# KiCad board PCB_PANELIZED.kicad_pcb
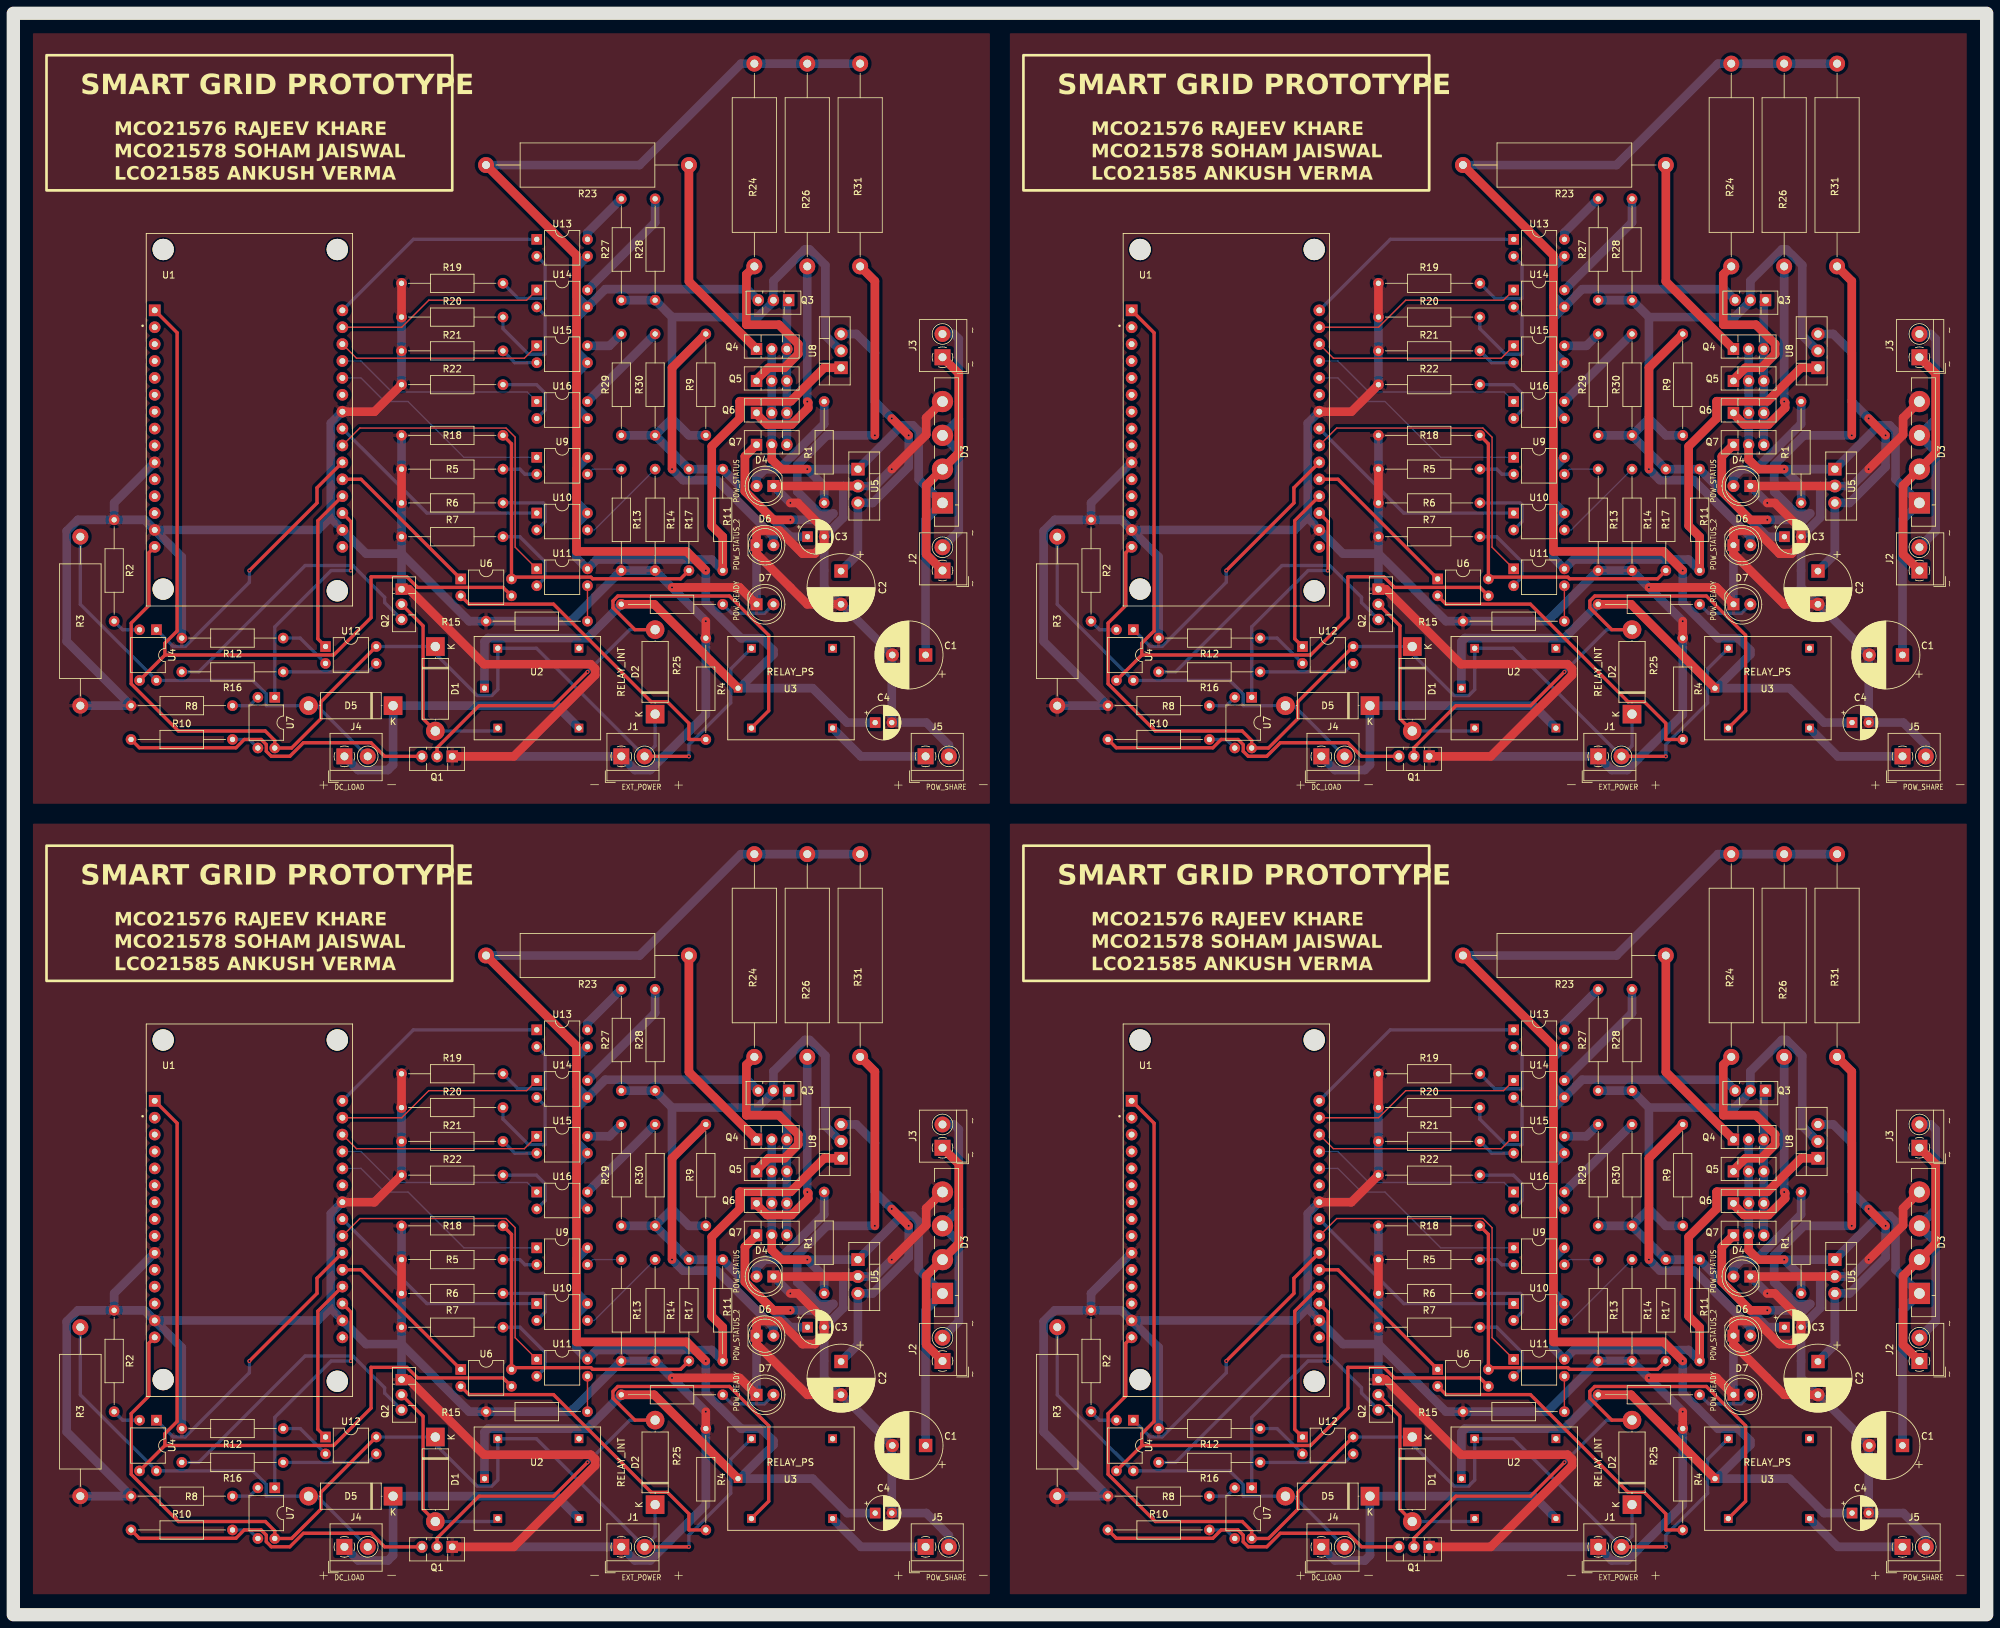
[diagram p0: board, top side]
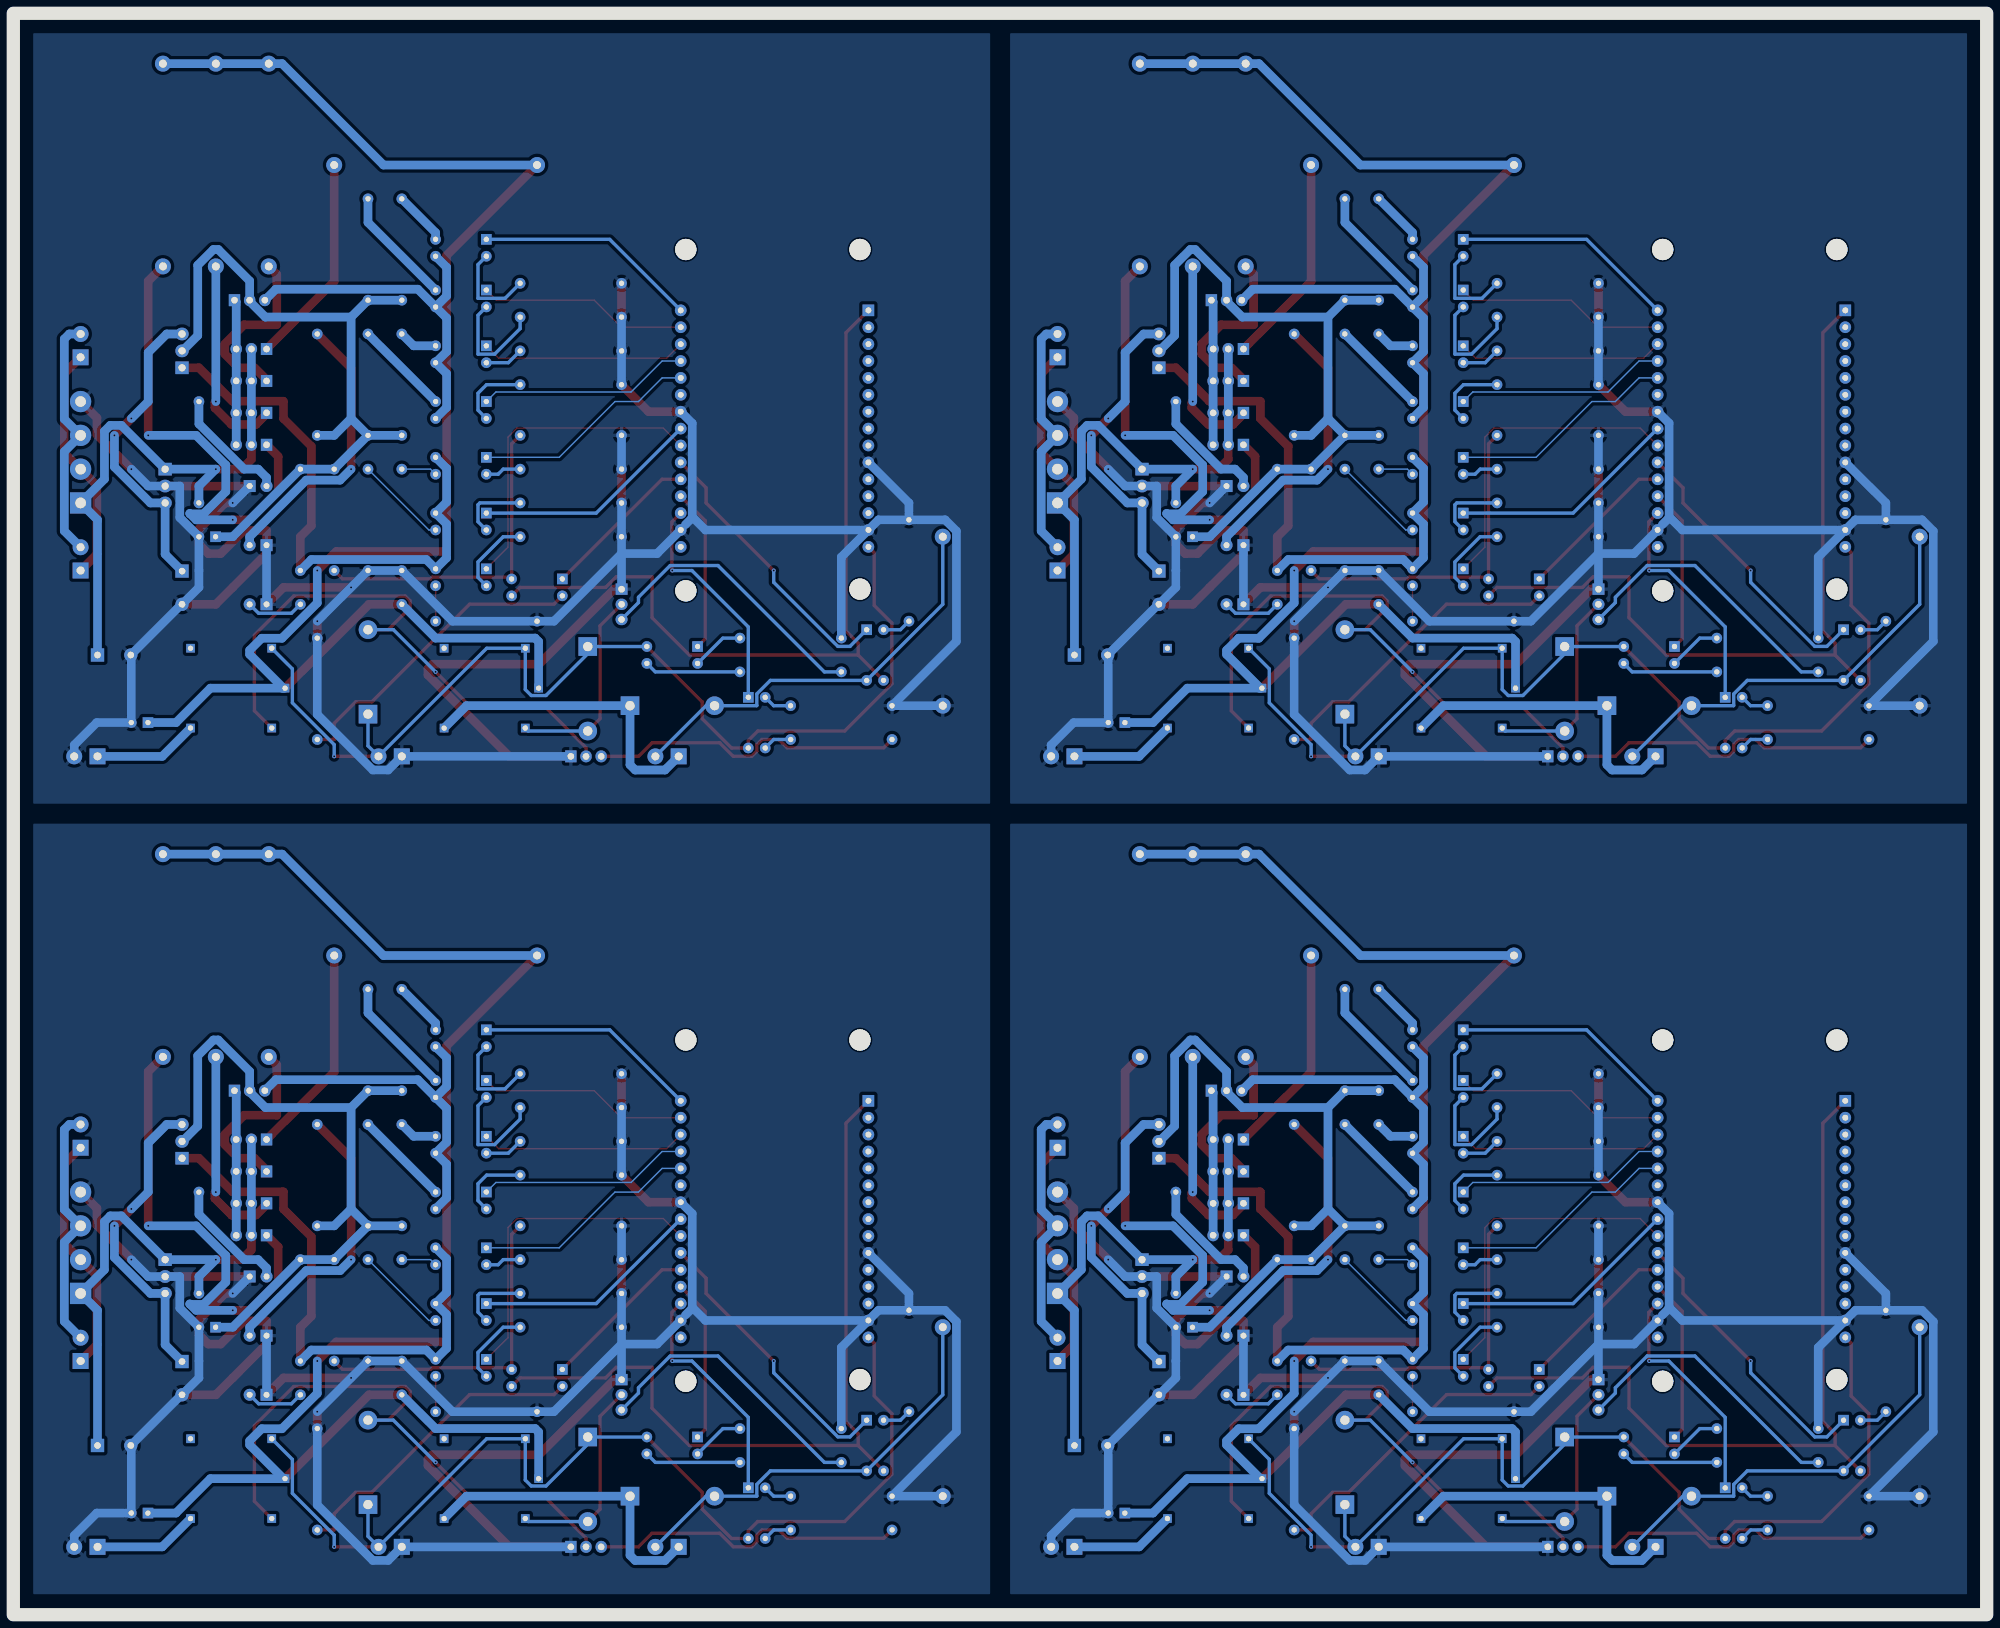
[diagram p1: board, bottom side, seen from below]

Outline 296.5 x 240.75 mm; copper layers: Top, Bottom. Coordinates in mm from the lower left corner of the outline.
Outline path: rectangle 0,240.75 296.5,0
Stack: Top 0.035mm / dielectric 1.51mm FR4 er 4.5 / Bottom 0.035mm

## Placement (name value [footprint] x y rotation side)
C1  1000uf/25V  [CP_Radial_D10.0mm_P5.00mm]  137.07 25.44 180 top
C1#2  1000uf/25V  [CP_Radial_D10.0mm_P5.00mm]  283.85 25.44 180 top
C1#3  1000uf/25V  [CP_Radial_D10.0mm_P5.00mm]  283.85 144.28 180 top
C1#4  1000uf/25V  [CP_Radial_D10.0mm_P5.00mm]  137.07 144.28 180 top
C2  100uf/25V  [CP_Radial_D10.0mm_P5.00mm]  124.37 38.06 270 top
C2#2  100uf/25V  [CP_Radial_D10.0mm_P5.00mm]  271.15 156.9 270 top
C2#3  100uf/25V  [CP_Radial_D10.0mm_P5.00mm]  124.37 156.9 270 top
C2#4  100uf/25V  [CP_Radial_D10.0mm_P5.00mm]  271.15 38.06 270 top
C3  10uF/63V  [CP_Radial_D5.0mm_P2.50mm]  119.33 43.22 0 top
C3#2  10uF/63V  [CP_Radial_D5.0mm_P2.50mm]  266.11 43.22 0 top
C3#3  10uF/63V  [CP_Radial_D5.0mm_P2.50mm]  266.11 162.06 0 top
C3#4  10uF/63V  [CP_Radial_D5.0mm_P2.50mm]  119.33 162.06 0 top
C4  10uF/63V  [CP_Radial_D5.0mm_P2.50mm]  276.27 15.28 0 top
C4#2  10uF/63V  [CP_Radial_D5.0mm_P2.50mm]  129.49 15.28 0 top
C4#3  10uF/63V  [CP_Radial_D5.0mm_P2.50mm]  129.49 134.12 0 top
C4#4  10uF/63V  [CP_Radial_D5.0mm_P2.50mm]  276.27 134.12 0 top
D1  1N5408/DIODE  [D_5W_P12.70mm_Horizontal]  210.19 26.71 270 top
D1#2  1N5408/DIODE  [D_5W_P12.70mm_Horizontal]  63.41 145.55 270 top
D1#3  1N5408/DIODE  [D_5W_P12.70mm_Horizontal]  63.41 26.71 270 top
D1#4  1N5408/DIODE  [D_5W_P12.70mm_Horizontal]  210.19 145.55 270 top
D2  1N5408/DIODE  [D_5W_P12.70mm_Horizontal]  96.43 135.39 90 top
D2#2  1N5408/DIODE  [D_5W_P12.70mm_Horizontal]  243.21 16.55 90 top
D2#3  1N5408/DIODE  [D_5W_P12.70mm_Horizontal]  243.21 135.39 90 top
D2#4  1N5408/DIODE  [D_5W_P12.70mm_Horizontal]  96.43 16.55 90 top
D3  GBU4A/BRIDGE_RECT  [Diode_Bridge_Vishay_GBU]  139.61 48.3 90 top
D3#2  GBU4A/BRIDGE_RECT  [Diode_Bridge_Vishay_GBU]  286.39 48.3 90 top
D3#3  GBU4A/BRIDGE_RECT  [Diode_Bridge_Vishay_GBU]  139.61 167.14 90 top
D3#4  GBU4A/BRIDGE_RECT  [Diode_Bridge_Vishay_GBU]  286.39 167.14 90 top
D4  LED_POW  [LED_D5.0mm]  260.99 50.84 180 top
D4#2  LED_POW  [LED_D5.0mm]  114.21 169.68 180 top
D4#3  LED_POW  [LED_D5.0mm]  114.21 50.84 180 top
D4#4  LED_POW  [LED_D5.0mm]  260.99 169.68 180 top
D5  1N5408/FWD  [D_5W_P12.70mm_Horizontal]  203.84 136.66 180 top
D5#2  1N5408/FWD  [D_5W_P12.70mm_Horizontal]  57.06 17.82 180 top
D5#3  1N5408/FWD  [D_5W_P12.70mm_Horizontal]  203.84 17.82 180 top
D5#4  1N5408/FWD  [D_5W_P12.70mm_Horizontal]  57.06 136.66 180 top
D6  LED  [LED_D5.0mm]  111.67 41.95 0 top
D6#2  LED  [LED_D5.0mm]  258.45 160.79 0 top
D6#3  LED  [LED_D5.0mm]  111.67 160.79 0 top
D6#4  LED  [LED_D5.0mm]  258.45 41.95 0 top
D7  LOAD_STATUS  [LED_D5.0mm]  111.67 33.06 0 top
D7#2  LOAD_STATUS  [LED_D5.0mm]  111.67 151.9 0 top
D7#3  LOAD_STATUS  [LED_D5.0mm]  258.45 33.06 0 top
D7#4  LOAD_STATUS  [LED_D5.0mm]  258.45 151.9 0 top
J1  EXT_POW  [TerminalBlock_4Ucon_1x02_P3.50mm_Horizontal]  238.13 10.2 0 top
J1#2  EXT_POW  [TerminalBlock_4Ucon_1x02_P3.50mm_Horizontal]  238.13 129.04 0 top
J1#3  EXT_POW  [TerminalBlock_4Ucon_1x02_P3.50mm_Horizontal]  91.35 10.2 0 top
J1#4  EXT_POW  [TerminalBlock_4Ucon_1x02_P3.50mm_Horizontal]  91.35 129.04 0 top
J2  24VAC _LOAD  [TerminalBlock_4Ucon_1x02_P3.50mm_Horizontal]  139.61 38.14 90 top
J2#2  24VAC _LOAD  [TerminalBlock_4Ucon_1x02_P3.50mm_Horizontal]  286.39 156.98 90 top
J2#3  24VAC _LOAD  [TerminalBlock_4Ucon_1x02_P3.50mm_Horizontal]  286.39 38.14 90 top
J2#4  24VAC _LOAD  [TerminalBlock_4Ucon_1x02_P3.50mm_Horizontal]  139.61 156.98 90 top
J3  AC_INPUT  [TerminalBlock_4Ucon_1x02_P3.50mm_Horizontal]  139.61 70.2 90 top
J3#2  AC_INPUT  [TerminalBlock_4Ucon_1x02_P3.50mm_Horizontal]  139.61 189.04 90 top
J3#3  AC_INPUT  [TerminalBlock_4Ucon_1x02_P3.50mm_Horizontal]  286.39 189.04 90 top
J3#4  AC_INPUT  [TerminalBlock_4Ucon_1x02_P3.50mm_Horizontal]  286.39 70.2 90 top
J4  DC_LOAD  [TerminalBlock_4Ucon_1x02_P3.50mm_Horizontal]  196.53 10.2 0 top
J4#2  DC_LOAD  [TerminalBlock_4Ucon_1x02_P3.50mm_Horizontal]  49.75 129.04 0 top
J4#3  DC_LOAD  [TerminalBlock_4Ucon_1x02_P3.50mm_Horizontal]  49.75 10.2 0 top
J4#4  DC_LOAD  [TerminalBlock_4Ucon_1x02_P3.50mm_Horizontal]  196.53 129.04 0 top
J5  POW_SHARE  [TerminalBlock_4Ucon_1x02_P3.50mm_Horizontal]  283.85 129.04 0 top
J5#2  POW_SHARE  [TerminalBlock_4Ucon_1x02_P3.50mm_Horizontal]  283.85 10.2 0 top
J5#3  POW_SHARE  [TerminalBlock_4Ucon_1x02_P3.50mm_Horizontal]  137.07 10.2 0 top
J5#4  POW_SHARE  [TerminalBlock_4Ucon_1x02_P3.50mm_Horizontal]  137.07 129.04 0 top
Q1  BD139  [TO-126-3_Vertical]  212.73 10.2 180 top
Q1#2  BD139  [TO-126-3_Vertical]  65.95 129.04 180 top
Q1#3  BD139  [TO-126-3_Vertical]  212.73 129.04 180 top
Q1#4  BD139  [TO-126-3_Vertical]  65.95 10.2 180 top
Q2  BD139  [TO-126-3_Vertical]  205.11 35.34 270 top
Q2#2  BD139  [TO-126-3_Vertical]  205.11 154.18 270 top
Q2#3  BD139  [TO-126-3_Vertical]  58.33 35.34 270 top
Q2#4  BD139  [TO-126-3_Vertical]  58.33 154.18 270 top
Q3  BD139  [TO-126-3_Vertical]  116.49 78.78 180 top
Q3#2  BD139  [TO-126-3_Vertical]  263.27 197.62 180 top
Q3#3  BD139  [TO-126-3_Vertical]  116.49 197.62 180 top
Q3#4  BD139  [TO-126-3_Vertical]  263.27 78.78 180 top
Q4  BD139  [TO-126-3_Vertical]  258.45 190.28 0 top
Q4#2  BD139  [TO-126-3_Vertical]  111.67 71.44 0 top
Q4#3  BD139  [TO-126-3_Vertical]  111.67 190.28 0 top
Q4#4  BD139  [TO-126-3_Vertical]  258.45 71.44 0 top
Q5  BD139  [TO-126-3_Vertical]  258.45 185.48 0 top
Q5#2  BD139  [TO-126-3_Vertical]  111.67 66.64 0 top
Q5#3  BD139  [TO-126-3_Vertical]  111.67 185.48 0 top
Q5#4  BD139  [TO-126-3_Vertical]  258.45 66.64 0 top
Q6  BD139  [TO-126-3_Vertical]  258.45 61.84 0 top
Q6#2  BD139  [TO-126-3_Vertical]  111.67 180.68 0 top
Q6#3  BD139  [TO-126-3_Vertical]  111.67 61.84 0 top
Q6#4  BD139  [TO-126-3_Vertical]  258.45 180.68 0 top
Q7  BD139  [TO-126-3_Vertical]  111.67 175.88 0 top
Q7#2  BD139  [TO-126-3_Vertical]  258.45 57.04 0 top
Q7#3  BD139  [TO-126-3_Vertical]  111.67 57.04 0 top
Q7#4  BD139  [TO-126-3_Vertical]  258.45 175.88 0 top
R1  220  [R_Axial_DIN0207_L6.3mm_D2.5mm_P15.24mm_Horizontal]  268.61 167.14 90 top
R1#2  220  [R_Axial_DIN0207_L6.3mm_D2.5mm_P15.24mm_Horizontal]  121.83 48.3 90 top
R1#3  220  [R_Axial_DIN0207_L6.3mm_D2.5mm_P15.24mm_Horizontal]  268.61 48.3 90 top
R1#4  220  [R_Axial_DIN0207_L6.3mm_D2.5mm_P15.24mm_Horizontal]  121.83 167.14 90 top
R2  220R  [R_Axial_DIN0207_L6.3mm_D2.5mm_P15.24mm_Horizontal]  161.93 45.76 270 top
R2#2  220R  [R_Axial_DIN0207_L6.3mm_D2.5mm_P15.24mm_Horizontal]  15.15 45.76 270 top
R2#3  220R  [R_Axial_DIN0207_L6.3mm_D2.5mm_P15.24mm_Horizontal]  15.15 164.6 270 top
R2#4  220R  [R_Axial_DIN0207_L6.3mm_D2.5mm_P15.24mm_Horizontal]  161.93 164.6 270 top
R3  1R  [R_Axial_DIN0617_L17.0mm_D6.0mm_P25.40mm_Horizontal]  156.85 162.06 270 top
R3#2  1R  [R_Axial_DIN0617_L17.0mm_D6.0mm_P25.40mm_Horizontal]  10.07 162.06 270 top
R3#3  1R  [R_Axial_DIN0617_L17.0mm_D6.0mm_P25.40mm_Horizontal]  10.07 43.22 270 top
R3#4  1R  [R_Axial_DIN0617_L17.0mm_D6.0mm_P25.40mm_Horizontal]  156.85 43.22 270 top
R4  220R  [R_Axial_DIN0207_L6.3mm_D2.5mm_P15.24mm_Horizontal]  104.05 146.82 270 top
R4#2  220R  [R_Axial_DIN0207_L6.3mm_D2.5mm_P15.24mm_Horizontal]  104.05 27.98 270 top
R4#3  220R  [R_Axial_DIN0207_L6.3mm_D2.5mm_P15.24mm_Horizontal]  250.83 146.82 270 top
R4#4  220R  [R_Axial_DIN0207_L6.3mm_D2.5mm_P15.24mm_Horizontal]  250.83 27.98 270 top
R5  220R  [R_Axial_DIN0207_L6.3mm_D2.5mm_P15.24mm_Horizontal]  58.33 172.22 0 top
R5#2  220R  [R_Axial_DIN0207_L6.3mm_D2.5mm_P15.24mm_Horizontal]  205.11 172.22 0 top
R5#3  220R  [R_Axial_DIN0207_L6.3mm_D2.5mm_P15.24mm_Horizontal]  58.33 53.38 0 top
R5#4  220R  [R_Axial_DIN0207_L6.3mm_D2.5mm_P15.24mm_Horizontal]  205.11 53.38 0 top
R6  220R  [R_Axial_DIN0207_L6.3mm_D2.5mm_P15.24mm_Horizontal]  205.11 167.14 0 top
R6#2  220R  [R_Axial_DIN0207_L6.3mm_D2.5mm_P15.24mm_Horizontal]  58.33 167.14 0 top
R6#3  220R  [R_Axial_DIN0207_L6.3mm_D2.5mm_P15.24mm_Horizontal]  58.33 48.3 0 top
R6#4  220R  [R_Axial_DIN0207_L6.3mm_D2.5mm_P15.24mm_Horizontal]  205.11 48.3 0 top
R7  220R  [R_Axial_DIN0207_L6.3mm_D2.5mm_P15.24mm_Horizontal]  58.33 162.06 0 top
R7#2  220R  [R_Axial_DIN0207_L6.3mm_D2.5mm_P15.24mm_Horizontal]  205.11 43.22 0 top
R7#3  220R  [R_Axial_DIN0207_L6.3mm_D2.5mm_P15.24mm_Horizontal]  58.33 43.22 0 top
R7#4  220R  [R_Axial_DIN0207_L6.3mm_D2.5mm_P15.24mm_Horizontal]  205.11 162.06 0 top
R8  220R  [R_Axial_DIN0207_L6.3mm_D2.5mm_P15.24mm_Horizontal]  179.71 17.82 180 top
R8#2  220R  [R_Axial_DIN0207_L6.3mm_D2.5mm_P15.24mm_Horizontal]  179.71 136.66 180 top
R8#3  220R  [R_Axial_DIN0207_L6.3mm_D2.5mm_P15.24mm_Horizontal]  32.93 136.66 180 top
R8#4  220R  [R_Axial_DIN0207_L6.3mm_D2.5mm_P15.24mm_Horizontal]  32.93 17.82 180 top
R9  220R  [R_Axial_DIN0207_L6.3mm_D2.5mm_P15.24mm_Horizontal]  250.83 177.3 90 top
R9#2  220R  [R_Axial_DIN0207_L6.3mm_D2.5mm_P15.24mm_Horizontal]  250.83 58.46 90 top
R9#3  220R  [R_Axial_DIN0207_L6.3mm_D2.5mm_P15.24mm_Horizontal]  104.05 177.3 90 top
R9#4  220R  [R_Axial_DIN0207_L6.3mm_D2.5mm_P15.24mm_Horizontal]  104.05 58.46 90 top
R10  120R  [R_Axial_DIN0207_L6.3mm_D2.5mm_P15.24mm_Horizontal]  17.69 12.74 0 top
R10#2  120R  [R_Axial_DIN0207_L6.3mm_D2.5mm_P15.24mm_Horizontal]  164.47 131.58 0 top
R10#3  120R  [R_Axial_DIN0207_L6.3mm_D2.5mm_P15.24mm_Horizontal]  164.47 12.74 0 top
R10#4  120R  [R_Axial_DIN0207_L6.3mm_D2.5mm_P15.24mm_Horizontal]  17.69 131.58 0 top
R11  220R  [R_Axial_DIN0207_L6.3mm_D2.5mm_P15.24mm_Horizontal]  253.37 156.98 90 top
R11#2  220R  [R_Axial_DIN0207_L6.3mm_D2.5mm_P15.24mm_Horizontal]  253.37 38.14 90 top
R11#3  220R  [R_Axial_DIN0207_L6.3mm_D2.5mm_P15.24mm_Horizontal]  106.59 156.98 90 top
R11#4  220R  [R_Axial_DIN0207_L6.3mm_D2.5mm_P15.24mm_Horizontal]  106.59 38.14 90 top
R12  220R  [R_Axial_DIN0207_L6.3mm_D2.5mm_P15.24mm_Horizontal]  40.55 146.82 180 top
R12#2  220R  [R_Axial_DIN0207_L6.3mm_D2.5mm_P15.24mm_Horizontal]  40.55 27.98 180 top
R12#3  220R  [R_Axial_DIN0207_L6.3mm_D2.5mm_P15.24mm_Horizontal]  187.33 146.82 180 top
R12#4  220R  [R_Axial_DIN0207_L6.3mm_D2.5mm_P15.24mm_Horizontal]  187.33 27.98 180 top
R13  500R  [R_Axial_DIN0207_L6.3mm_D2.5mm_P15.24mm_Horizontal]  238.13 53.38 270 top
R13#2  500R  [R_Axial_DIN0207_L6.3mm_D2.5mm_P15.24mm_Horizontal]  91.35 172.22 270 top
R13#3  500R  [R_Axial_DIN0207_L6.3mm_D2.5mm_P15.24mm_Horizontal]  238.13 172.22 270 top
R13#4  500R  [R_Axial_DIN0207_L6.3mm_D2.5mm_P15.24mm_Horizontal]  91.35 53.38 270 top
R14  1.5k  [R_Axial_DIN0207_L6.3mm_D2.5mm_P15.24mm_Horizontal]  96.43 53.38 270 top
R14#2  1.5k  [R_Axial_DIN0207_L6.3mm_D2.5mm_P15.24mm_Horizontal]  96.43 172.22 270 top
R14#3  1.5k  [R_Axial_DIN0207_L6.3mm_D2.5mm_P15.24mm_Horizontal]  243.21 172.22 270 top
R14#4  1.5k  [R_Axial_DIN0207_L6.3mm_D2.5mm_P15.24mm_Horizontal]  243.21 53.38 270 top
R15  2k  [R_Axial_DIN0207_L6.3mm_D2.5mm_P15.24mm_Horizontal]  233.05 149.36 180 top
R15#2  2k  [R_Axial_DIN0207_L6.3mm_D2.5mm_P15.24mm_Horizontal]  233.05 30.52 180 top
R15#3  2k  [R_Axial_DIN0207_L6.3mm_D2.5mm_P15.24mm_Horizontal]  86.27 30.52 180 top
R15#4  2k  [R_Axial_DIN0207_L6.3mm_D2.5mm_P15.24mm_Horizontal]  86.27 149.36 180 top
R16  120R  [R_Axial_DIN0207_L6.3mm_D2.5mm_P15.24mm_Horizontal]  40.55 22.9 180 top
R16#2  120R  [R_Axial_DIN0207_L6.3mm_D2.5mm_P15.24mm_Horizontal]  40.55 141.74 180 top
R16#3  120R  [R_Axial_DIN0207_L6.3mm_D2.5mm_P15.24mm_Horizontal]  187.33 22.9 180 top
R16#4  120R  [R_Axial_DIN0207_L6.3mm_D2.5mm_P15.24mm_Horizontal]  187.33 141.74 180 top
R17  20k  [R_Axial_DIN0207_L6.3mm_D2.5mm_P15.24mm_Horizontal]  248.29 53.38 270 top
R17#2  20k  [R_Axial_DIN0207_L6.3mm_D2.5mm_P15.24mm_Horizontal]  101.51 172.22 270 top
R17#3  20k  [R_Axial_DIN0207_L6.3mm_D2.5mm_P15.24mm_Horizontal]  101.51 53.38 270 top
R17#4  20k  [R_Axial_DIN0207_L6.3mm_D2.5mm_P15.24mm_Horizontal]  248.29 172.22 270 top
R18  8k  [R_Axial_DIN0207_L6.3mm_D2.5mm_P15.24mm_Horizontal]  73.57 177.3 180 top
R18#2  8k  [R_Axial_DIN0207_L6.3mm_D2.5mm_P15.24mm_Horizontal]  73.57 58.46 180 top
R18#3  8k  [R_Axial_DIN0207_L6.3mm_D2.5mm_P15.24mm_Horizontal]  220.35 177.3 180 top
R18#4  8k  [R_Axial_DIN0207_L6.3mm_D2.5mm_P15.24mm_Horizontal]  220.35 58.46 180 top
R19  220  [R_Axial_DIN0207_L6.3mm_D2.5mm_P15.24mm_Horizontal]  58.33 81.32 0 top
R19#2  220  [R_Axial_DIN0207_L6.3mm_D2.5mm_P15.24mm_Horizontal]  205.11 200.16 0 top
R19#3  220  [R_Axial_DIN0207_L6.3mm_D2.5mm_P15.24mm_Horizontal]  205.11 81.32 0 top
R19#4  220  [R_Axial_DIN0207_L6.3mm_D2.5mm_P15.24mm_Horizontal]  58.33 200.16 0 top
R20  220  [R_Axial_DIN0207_L6.3mm_D2.5mm_P15.24mm_Horizontal]  205.11 195.08 0 top
R20#2  220  [R_Axial_DIN0207_L6.3mm_D2.5mm_P15.24mm_Horizontal]  58.33 76.24 0 top
R20#3  220  [R_Axial_DIN0207_L6.3mm_D2.5mm_P15.24mm_Horizontal]  205.11 76.24 0 top
R20#4  220  [R_Axial_DIN0207_L6.3mm_D2.5mm_P15.24mm_Horizontal]  58.33 195.08 0 top
R21  220  [R_Axial_DIN0207_L6.3mm_D2.5mm_P15.24mm_Horizontal]  205.11 71.16 0 top
R21#2  220  [R_Axial_DIN0207_L6.3mm_D2.5mm_P15.24mm_Horizontal]  205.11 190 0 top
R21#3  220  [R_Axial_DIN0207_L6.3mm_D2.5mm_P15.24mm_Horizontal]  58.33 190 0 top
R21#4  220  [R_Axial_DIN0207_L6.3mm_D2.5mm_P15.24mm_Horizontal]  58.33 71.16 0 top
R22  220  [R_Axial_DIN0207_L6.3mm_D2.5mm_P15.24mm_Horizontal]  205.11 66.08 0 top
R22#2  220  [R_Axial_DIN0207_L6.3mm_D2.5mm_P15.24mm_Horizontal]  205.11 184.92 0 top
R22#3  220  [R_Axial_DIN0207_L6.3mm_D2.5mm_P15.24mm_Horizontal]  58.33 66.08 0 top
R22#4  220  [R_Axial_DIN0207_L6.3mm_D2.5mm_P15.24mm_Horizontal]  58.33 184.92 0 top
R23  1R  [R_Axial_Power_L20.0mm_W6.4mm_P30.48mm]  101.51 217.94 180 top
R23#2  1R  [R_Axial_Power_L20.0mm_W6.4mm_P30.48mm]  248.29 217.94 180 top
R23#3  1R  [R_Axial_Power_L20.0mm_W6.4mm_P30.48mm]  248.29 99.1 180 top
R23#4  1R  [R_Axial_Power_L20.0mm_W6.4mm_P30.48mm]  101.51 99.1 180 top
R24  1R  [R_Axial_Power_L20.0mm_W6.4mm_P30.48mm]  111.34 202.7 90 top
R24#2  1R  [R_Axial_Power_L20.0mm_W6.4mm_P30.48mm]  111.34 83.86 90 top
R24#3  1R  [R_Axial_Power_L20.0mm_W6.4mm_P30.48mm]  258.12 83.86 90 top
R24#4  1R  [R_Axial_Power_L20.0mm_W6.4mm_P30.48mm]  258.12 202.7 90 top
R25  220  [R_Axial_DIN0207_L6.3mm_D2.5mm_P15.24mm_Horizontal]  91.35 151.9 0 top
R25#2  220  [R_Axial_DIN0207_L6.3mm_D2.5mm_P15.24mm_Horizontal]  238.13 33.06 0 top
R25#3  220  [R_Axial_DIN0207_L6.3mm_D2.5mm_P15.24mm_Horizontal]  238.13 151.9 0 top
R25#4  220  [R_Axial_DIN0207_L6.3mm_D2.5mm_P15.24mm_Horizontal]  91.35 33.06 0 top
R26  1R  [R_Axial_Power_L20.0mm_W6.4mm_P30.48mm]  266.07 83.86 90 top
R26#2  1R  [R_Axial_Power_L20.0mm_W6.4mm_P30.48mm]  266.07 202.7 90 top
R26#3  1R  [R_Axial_Power_L20.0mm_W6.4mm_P30.48mm]  119.29 83.86 90 top
R26#4  1R  [R_Axial_Power_L20.0mm_W6.4mm_P30.48mm]  119.29 202.7 90 top
R27  150R  [R_Axial_DIN0207_L6.3mm_D2.5mm_P15.24mm_Horizontal]  238.13 197.62 90 top
R27#2  150R  [R_Axial_DIN0207_L6.3mm_D2.5mm_P15.24mm_Horizontal]  91.35 78.78 90 top
R27#3  150R  [R_Axial_DIN0207_L6.3mm_D2.5mm_P15.24mm_Horizontal]  91.35 197.62 90 top
R27#4  150R  [R_Axial_DIN0207_L6.3mm_D2.5mm_P15.24mm_Horizontal]  238.13 78.78 90 top
R28  1k  [R_Axial_DIN0207_L6.3mm_D2.5mm_P15.24mm_Horizontal]  243.21 197.62 90 top
R28#2  1k  [R_Axial_DIN0207_L6.3mm_D2.5mm_P15.24mm_Horizontal]  243.21 78.78 90 top
R28#3  1k  [R_Axial_DIN0207_L6.3mm_D2.5mm_P15.24mm_Horizontal]  96.43 197.62 90 top
R28#4  1k  [R_Axial_DIN0207_L6.3mm_D2.5mm_P15.24mm_Horizontal]  96.43 78.78 90 top
R29  3k  [R_Axial_DIN0207_L6.3mm_D2.5mm_P15.24mm_Horizontal]  91.35 177.3 90 top
R29#2  3k  [R_Axial_DIN0207_L6.3mm_D2.5mm_P15.24mm_Horizontal]  91.35 58.46 90 top
R29#3  3k  [R_Axial_DIN0207_L6.3mm_D2.5mm_P15.24mm_Horizontal]  238.13 177.3 90 top
R29#4  3k  [R_Axial_DIN0207_L6.3mm_D2.5mm_P15.24mm_Horizontal]  238.13 58.46 90 top
R30  5k  [R_Axial_DIN0207_L6.3mm_D2.5mm_P15.24mm_Horizontal]  96.43 58.46 90 top
R30#2  5k  [R_Axial_DIN0207_L6.3mm_D2.5mm_P15.24mm_Horizontal]  243.21 177.3 90 top
R30#3  5k  [R_Axial_DIN0207_L6.3mm_D2.5mm_P15.24mm_Horizontal]  96.43 177.3 90 top
R30#4  5k  [R_Axial_DIN0207_L6.3mm_D2.5mm_P15.24mm_Horizontal]  243.21 58.46 90 top
R31  1R  [R_Axial_Power_L20.0mm_W6.4mm_P30.48mm]  274.02 83.86 90 top
R31#2  1R  [R_Axial_Power_L20.0mm_W6.4mm_P30.48mm]  127.24 83.86 90 top
R31#3  1R  [R_Axial_Power_L20.0mm_W6.4mm_P30.48mm]  274.02 202.7 90 top
R31#4  1R  [R_Axial_Power_L20.0mm_W6.4mm_P30.48mm]  127.24 202.7 90 top
U1  ESP8266  [MODULE_ZC563900]  179.46 175.78 0 top
U1#2  ESP8266  [MODULE_ZC563900]  32.68 175.78 0 top
U1#3  ESP8266  [MODULE_ZC563900]  179.46 56.94 0 top
U1#4  ESP8266  [MODULE_ZC563900]  32.68 56.94 0 top
U2  RELAY_INT  [J107F]  216.02 12.69 0 top
U2#2  RELAY_INT  [J107F]  69.24 12.69 0 top
U2#3  RELAY_INT  [J107F]  69.24 131.53 0 top
U2#4  RELAY_INT  [J107F]  216.02 131.53 0 top
U3  RELAY_PS  [J107F]  254.12 12.69 0 top
U3#2  RELAY_PS  [J107F]  107.34 131.53 0 top
U3#3  RELAY_PS  [J107F]  107.34 12.69 0 top
U3#4  RELAY_PS  [J107F]  254.12 131.53 0 top
U4  PC817  [DIP-4_W7.62mm]  168.28 29.24 270 top
U4#2  PC817  [DIP-4_W7.62mm]  168.28 148.08 270 top
U4#3  PC817  [DIP-4_W7.62mm]  21.5 148.08 270 top
U4#4  PC817  [DIP-4_W7.62mm]  21.5 29.24 270 top
U5  LM7824_TO220  [TO-220-3_Vertical]  273.69 53.38 270 top
U5#2  LM7824_TO220  [TO-220-3_Vertical]  273.69 172.22 270 top
U5#3  LM7824_TO220  [TO-220-3_Vertical]  126.91 53.38 270 top
U5#4  LM7824_TO220  [TO-220-3_Vertical]  126.91 172.22 270 top
U6  PC817  [DIP-4_W7.62mm]  214.01 36.88 0 top
U6#2  PC817  [DIP-4_W7.62mm]  214.01 155.72 0 top
U6#3  PC817  [DIP-4_W7.62mm]  67.23 155.72 0 top
U6#4  PC817  [DIP-4_W7.62mm]  67.23 36.88 0 top
U7  PC817  [DIP-4_W7.62mm]  39.28 19.08 270 top
U7#2  PC817  [DIP-4_W7.62mm]  186.06 19.08 270 top
U7#3  PC817  [DIP-4_W7.62mm]  186.06 137.92 270 top
U7#4  PC817  [DIP-4_W7.62mm]  39.28 137.92 270 top
U8  LM317_TO-220  [TO-220-3_Vertical]  124.37 68.62 90 top
U8#2  LM317_TO-220  [TO-220-3_Vertical]  271.15 68.62 90 top
U8#3  LM317_TO-220  [TO-220-3_Vertical]  271.15 187.46 90 top
U8#4  LM317_TO-220  [TO-220-3_Vertical]  124.37 187.46 90 top
U9  PC817  [DIP-4_W7.62mm]  78.65 55.16 0 top
U9#2  PC817  [DIP-4_W7.62mm]  225.43 55.16 0 top
U9#3  PC817  [DIP-4_W7.62mm]  225.43 174 0 top
U9#4  PC817  [DIP-4_W7.62mm]  78.65 174 0 top
U10  PC817  [DIP-4_W7.62mm]  225.43 165.61 0 top
U10#2  PC817  [DIP-4_W7.62mm]  225.43 46.77 0 top
U10#3  PC817  [DIP-4_W7.62mm]  78.65 165.61 0 top
U10#4  PC817  [DIP-4_W7.62mm]  78.65 46.77 0 top
U11  PC817  [DIP-4_W7.62mm]  225.43 157.23 0 top
U11#2  PC817  [DIP-4_W7.62mm]  78.65 157.23 0 top
U11#3  PC817  [DIP-4_W7.62mm]  225.43 38.39 0 top
U11#4  PC817  [DIP-4_W7.62mm]  78.65 38.39 0 top
U12  PC817  [DIP-4_W7.62mm]  193.69 26.72 0 top
U12#2  PC817  [DIP-4_W7.62mm]  46.91 26.72 0 top
U12#3  PC817  [DIP-4_W7.62mm]  193.69 145.56 0 top
U12#4  PC817  [DIP-4_W7.62mm]  46.91 145.56 0 top
U13  PC817  [DIP-4_W7.62mm]  78.65 87.93 0 top
U13#2  PC817  [DIP-4_W7.62mm]  78.65 206.77 0 top
U13#3  PC817  [DIP-4_W7.62mm]  225.43 87.93 0 top
U13#4  PC817  [DIP-4_W7.62mm]  225.43 206.77 0 top
U14  PC817  [DIP-4_W7.62mm]  78.65 80.31 0 top
U14#2  PC817  [DIP-4_W7.62mm]  225.43 199.15 0 top
U14#3  PC817  [DIP-4_W7.62mm]  225.43 80.31 0 top
U14#4  PC817  [DIP-4_W7.62mm]  78.65 199.15 0 top
U15  PC817  [DIP-4_W7.62mm]  225.43 190.76 0 top
U15#2  PC817  [DIP-4_W7.62mm]  78.65 71.92 0 top
U15#3  PC817  [DIP-4_W7.62mm]  78.65 190.76 0 top
U15#4  PC817  [DIP-4_W7.62mm]  225.43 71.92 0 top
U16  PC817  [DIP-4_W7.62mm]  78.65 182.38 0 top